# Altium PCB PROC010B_ASCII.PcbDoc (part 2 of 6) (continued)
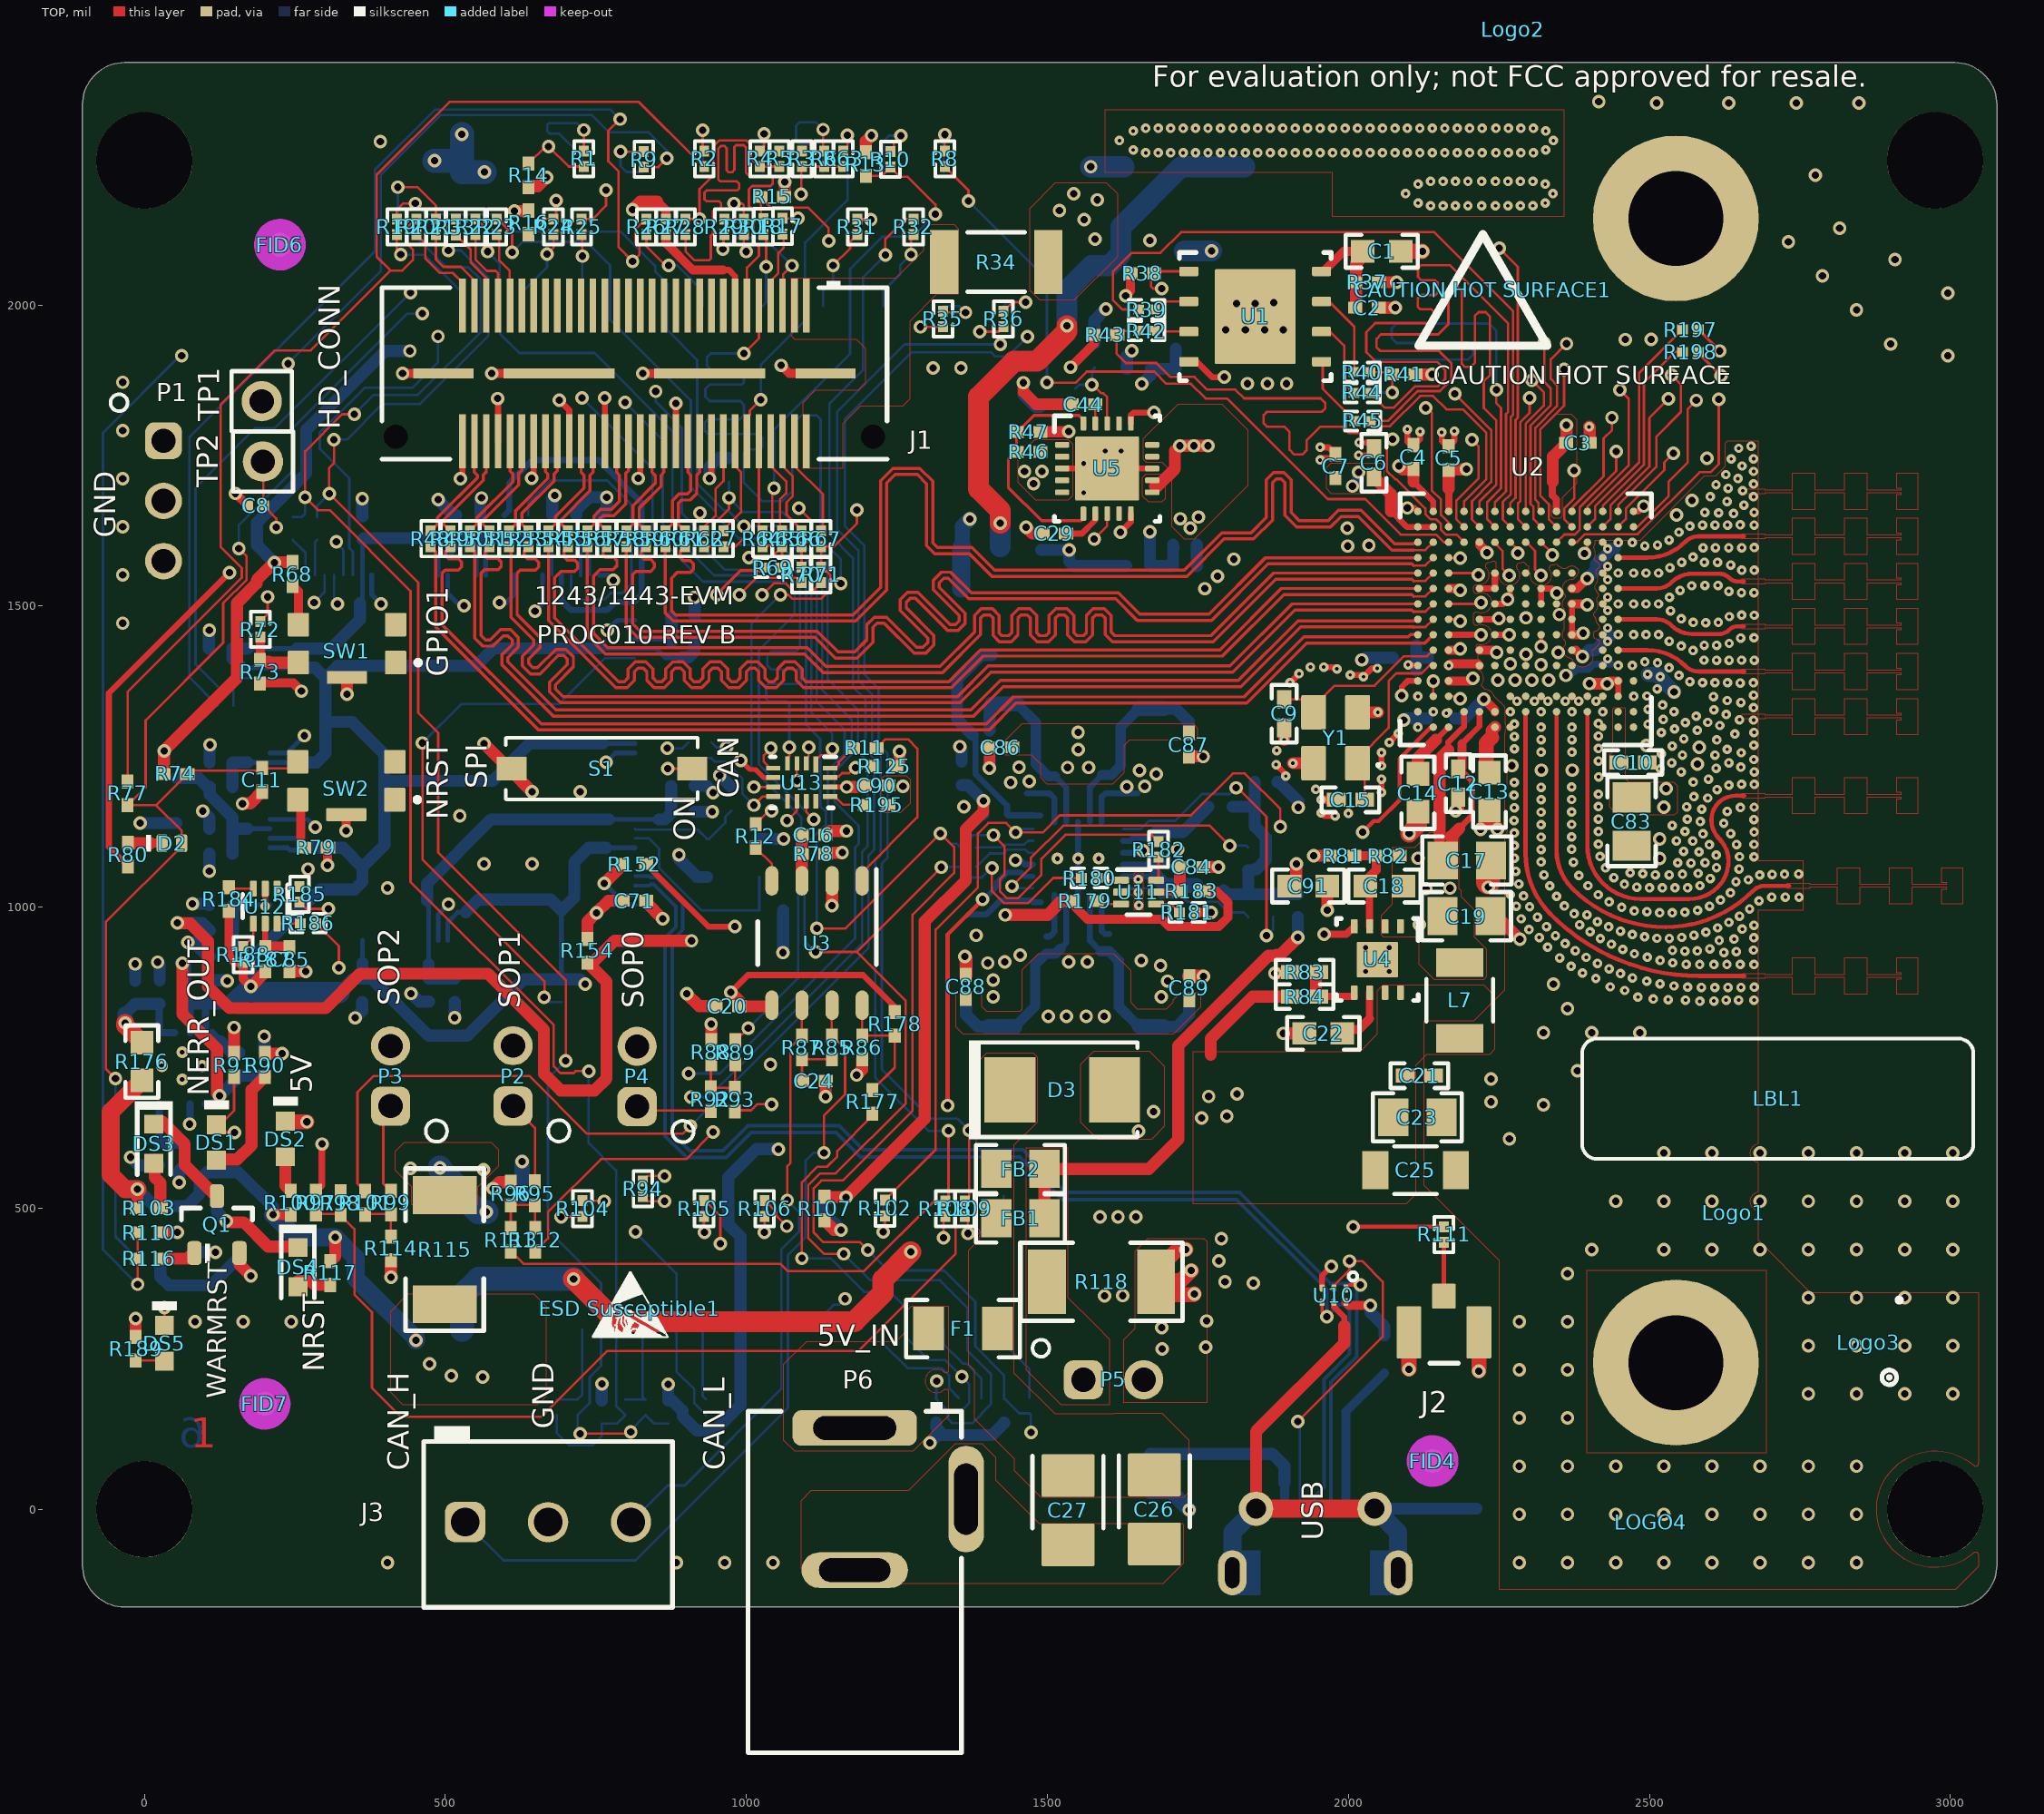
[diagram p0: TOP view]
## Part data (continued)
R88 R96 R114: library part CMP-0026574-2, "RES, 82.5 k, 1%, 0.063 W, AEC-Q200 Grade 0, 0402"
R90 R189: library part CMP-0078194-1, "RES, 360, 5%, 0.1 W, AEC-Q200 Grade 0, 0402"
R92 R95 R99: library part CMP-0026557-2, "RES, 7.87 k, 1%, 0.063 W, AEC-Q200 Grade 0, 0402"
R93 R101 R112: library part CMP-0026542-2, "RES, 750, 1%, 0.063 W, AEC-Q200 Grade 0, 0402"
R100 R103 R116 R117 R160: library part CMP-0078212-1, "RES, 510, 5%, 0.1 W, AEC-Q200 Grade 0, 0402"
R110 R138 R158 R172 R173: library part CMP-0025950-3, "RES, 100 k, 1%, 0.063 W, AEC-Q200 Grade 0, 0402"
R121 R132: library part CMP-0078211-2, "RES, 3.00 k, 1%, 0.063 W, AEC-Q200 Grade 0, 0402"
R122 R131 R139: library part CMP-0026099-2, "RES, 1.96 k, 1%, 0.063 W, AEC-Q200 Grade 0, 0402"
R123 R124 R126 R127 R140: library part CMP-0026071-3, "RES, 1.00 k, 1%, 0.063 W, AEC-Q200 Grade 0, 0402"
R125 R195: library part CMP-0025958-2, "RES, 10.0 k, 1%, 0.063 W, 0402"
R130 R133 R137 R161 R175 R176: library part CMP-0025884-3, "RES, 0, 5%, 0.125 W, 0603"
R134: library part CMP-0026404-2, "RES, 49.9, 1%, 0.063 W, AEC-Q200 Grade 0, 0402"
R142 R150: library part CMP-0026701-1, "RES, 4.99 k, 1%, 0.1 W, AEC-Q200 Grade 0, 0402"
R143 R147: library part CMP-0026414-2, "RES, 4.99 k, 1%, 0.063 W, AEC-Q200 Grade 0, 0402"
R149: library part CMP-0078193-1, "RES, 1.0 k, 5%, 0.1 W, AEC-Q200 Grade 0, 0402"
R151 R153: library part CMP-0078210-2, "RES, 330 k, 1%, 0.063 W, AEC-Q200 Grade 0, 0402"
R156: library part CMP-0026403-2, "RES, 49.9 k, 1%, 0.063 W, AEC-Q200 Grade 0, 0402"
R157 R174: library part CMP-0078244-2, "RES, 30.0 k, 1%, 0.063 W, AEC-Q200 Grade 0, 0402"
R170 R171: library part CMP-0026244-2, "RES, 2.94 k, 1%, 0.063 W, AEC-Q200 Grade 0, 0402"
R190 R191 R192 R193: library part CMP-0026363-2, "RES, 3.83, 1%, 0.063 W, AEC-Q200 Grade 0, 0402"
R194: library part CMP-0026413-2, "RES, 4.87 k, 1%, 0.063 W, AEC-Q200 Grade 0, 0402"
S1: library part CMP-0002163-2, "Switch, Slide, SPST, Top Slide, SMT"
SW1 SW2: library part CMP-0002325-1, "Switch, SPST-NO, Off-Mom, 0.01 A, 32 VDC, SMD"
TP1 TP2: library part CMP-0055993-1, "Header, 100mil, 1x1, Tin, TH"
U1: library part CMP-0079267-1, "2.3V-3.6V, 16M-BIT [x 1/x 2/x 4] CMOS FLASH Memory, WSON-8"
U2: library part CMP-0081285-1, "Single Chip 77 and 79 GHz FMCW Transceiver, ABL0161A (FCBGA-161)"
U3: library part CMP-0075992-1, "Automotive Fault Protected CAN Transceiver With Flexible Data-Rate, D0008A (SOIC-8)"
U4: library part CMP-0073870-2, "Automotive Low-Noise, Wide-Bandwidth, High PSRR, Low-Dropout 1-A Linear Regulator, DRB0008A (VSON-8)"
U5: library part CMP-0073732-2, "Dual, 1-A, Low Noise (3.8-uVRMS), LDO Voltage Regulator, RTJ0020D (WQFN-20)"
U6: library part CMP-0029856-2, "Tiva C Series Microcontroller, 1024 KB Flash, 256 KB SRAM, 12 Bit, 20 Channels, -40 to 105 degC, 128-Pin TQFP (PDT), Green (RoHS & no Sb/Br), Tray"
U7: library part CMP-0033001-1, "Precision Micropower Shunt Voltage Reference, 0.5% accuracy, 2.5 V, 15 ppm / degC, 15 mA, -40 to 125 degC, 3-pin SOT-23 (DBZ), Green (RoHS & no Sb/Br)"
U8: library part CMP-0079120-1, "4-A + 2.5-A + Two 1.5-A Buck Converters With Integrated Switches, RNF0026C (VQFN-HR-26)"
U9: library part CMP-0036402-3, "Single Output High PSRR LDO, 1 A, Adjustable 1.2 to 5.5 V Output, 2.7 to 5.5 V Input, 8-pin SON (DRB), -40 to 125 degC, Green (RoHS & no Sb/Br)"
U10: library part CMP-0043115-2, "ESD-Protection Array for High-Speed Data Interfaces, 4 Channels, -40 to +85 degC, 6-pin SON (DRY), Green (RoHS & no Sb/Br)"
U11 U12: library part CMP-0067397-2, "1.4V-Capable +/-0.5degC Temperature Sensor with Alert Function and I2C/SMBus interface in SOT-563, DRL0006A (SOT-OTHER-6)"
U13: library part CMP-0067415-1, "10-Ohm Quad SPDT Analog Switch, RSV0016A (UQFN-16)"
Y1: library part CMP-0004694-3, "Crystal, 40 MHz, 8pF, SMD"
Y2: library part CMP-0078214-2, "Crystal, 16 MHz, 15 ppm, 8 pF, AEC-Q200 Grade 1, SMD"
ZZ1: library part CMP-0003616-3
ZZ2: library part CMP-0077236-1
ZZ3: library part CMP-0077237-1
ZZ4: library part CMP-0077238-1
ZZ5: library part CMP-0077238-1, "Micro USB cable, Brackets, Screws, Nuts, Jumpers and Bump on need to be placed in a platic bag"

## Free pads (board coordinates)
  round 275.59 hole 157.48: 0(2543.95,2143.55) 1(2543.95,243.55)
  round 160 hole 160 unplated: ""(0,0) ""(0,2240) ""(2974.5,0) ""(2974.5,2240)

## Via types
v1: diameter 22.4, hole 12.2, TOP to BOTTOM, tented both sides, 621 vias
v2: diameter 15.74, hole 5.9, TOP to L2, tented top, 508 vias
v3: diameter 19.68, hole 7.87, TOP to BOTTOM, tented top, 7 vias
v4: diameter 19.68, hole 7.87, TOP to BOTTOM, 4 vias
v5: diameter 19.68, hole 7.87, TOP to BOTTOM, tented both sides, 3 vias
v6: diameter 19.68, hole 7.87, TOP to BOTTOM, tented bottom, 1 vias

## Nets (pads, with @x,y where several pads share a name; then routed paths per layer and width w, separated by ;. In a path a pad name is that pad's centre, name@x,y a point inside that pad or via, vN(x,y) a via of type N, cw(c..) or ccw(c..) an arc to the next point about the centre after c; other vN are vias at no path point)
3V3_BRD: C41.2 C42.2 C43.2 C50.2 C61.2 C76.2 C77.2 C78.2 R124.2 R127.2 R134.2 R140.2 R155.2 R156.2 R179.2 R183.2 R184.2 R187.2 R188.1 U6.7 U6.8 U6.16 U6.26 U6.28 U6.39 U6.47 U6.51 U6.52 U6.69 U6.79 U6.90 U6.101 U6.113 U6.122 U9.3 U9.4 | length 6461.6
  TOP w15: R184.2@140.38,994.45 R184.2@140.38,993.66 140.38,918.01 150.16,908.23 R188.1@163.83,908.23 163.83,881.17 v1(177,868) ; R179.2@1543.45,1009.92 1543.45,1003.19 1566.64,980 1690,980 1702,968 1784.72,968 1799.73,983.01 1799.73,1007.95 1781,1026.68 R183.2@1759.34,1026.68 R183.2@1758.55,1026.68
  TOP w20: v1(177,868) 200.98,891.98 R187.2@200.98,893.66 ; v1(1430,987) 1500.36,987 1523.28,1009.92 R179.2@1542.66,1009.92 R179.2@1543.45,1009.92
  L3 w20: v1(732,872) 810.21,950.21 810.21,988.21 846.3,1024.3 996.79,1024.3 1086.18,934.9 1086.18,911.5 1112.78,884.9 1263.9,884.9 1366,987 v1(1430,987)
  BOTTOM w8: 161.85,1397.65 254.85,1397.65 ; 171.33,1240.17 252.33,1240.17 ; 171.36,1429.14 253.36,1429.14 ; U6.7@208.64,1098.43 238.07,1098.43 242,1094.5 260.32,1094.5 264.25,1098.43 264.25,1101.25 251.32,1114.18 U6.8@208.64,1114.18 ; 362.18,907.32 U6.122@362.18,944.89 ; 362.18,1508.68 C43.2@362.18,1610.21 ; U6.47@488.17,1551.19 488.17,1582.5 495.15,1589.48 511.07,1589.48 518.22,1596.62 C42.2@518.22,1612.16 ; U6.113@503.92,944.89 503.92,974.56 520.86,991.5 534,991.5 ; C42.2@518.03,1612.36 C42.2@518.22,1612.55 ; U6.51@551.16,1551.19 551.16,1605.41 558.3,1612.55 566.91,1603.94 U6.52@566.91,1551.19 ; R155.2@692.89,880.16 692.89,994.61 ; 757,1429.5 757.36,1429.14 850.37,1429.14 865.11,1414.4 892.75,1414.4 ; 761.16,1271.66 U6.79@814.94,1271.66 ; 767,1098.5 814.87,1098.5 U6.90@814.94,1098.43
  BOTTOM w8.4: 358,1504.5 362.18,1508.68 ; C43.2@362.18,1610.21 C43.2@362.52,1610.55 ; R155.2@692.78,880.05 R155.2@692.89,880.16 ; 892.75,1414.4 893.34,1414.99
  BOTTOM w12: C78.2@67.1,839.85 75.63,831.32 U9.3@75.63,791.44 ; C77.2@108.82,839.85 101.22,832.25 U9.4@101.22,791.44 112.56,791.44 127,777
  BOTTOM w20: C78.2@67.1,839.85 108.82,839.85 148.85,839.85 ; 127,777 145.91,758.09 R156.2@158.03,758.09 ; R140.2@146.55,1199.52 146.55,1239.66 147.06,1240.17 171.33,1240.17 ; 161.85,1397.65 145.95,1413.55 145.95,1429.4 146.21,1429.14 171.36,1429.14 ; v1(177,868) 177,914 292,1029 349,1029 362.18,1042.18 362.18,1066.32 ; 252.33,1240.17 285.67,1240.17 301,1255.5 301,1307.5 ; 253.36,1429.14 309.64,1429.14 358,1477.5 358,1504.5 ; 254.85,1397.65 283.85,1397.65 301,1380.5 ; 264.25,1098.43 330.07,1098.43 362.18,1066.32 ; 324.01,858 347.16,881.15 C76.2@361.92,881.15 ; 362.18,907.32 362.18,881.41 C76.2@361.92,881.15 ; C43.2@362.52,1610.55 364.52,1612.55 518.22,1612.55 558.3,1612.55 558.7,1612.95 R124.2@637.72,1612.95 ; 534,991.5 555,1012.5 675,1012.5 692.89,994.61 714,1015.72 714,1074.5 738,1098.5 767,1098.5 ; v1(732,872) 723.95,880.05 692.78,880.05 630.21,880.05 536.46,786.3 472.2,786.3 377.35,881.15 C76.2@361.92,881.15 ; 757,1429.5 580,1429.5 551,1400.5 321,1400.5 301,1380.5 ; 761.16,1271.66 640.16,1271.66 578,1209.5 399,1209.5 ; 893.34,1414.99 904.49,1414.99 913.55,1424.05 R134.2@913.55,1440.6 ; 301,1307.5 345.46,1307.5 399,1253.96 399,1209.5 ; 301,1307.5 301,1380.5 ; 362.18,1066.32 399,1103.14 399,1209.5
  BOTTOM w35: 148.85,839.85 v1(177,868) 187,858 324.01,858
3V3_MON_XDS_1: R158.2 R159.2 U9.8 | length 106
  BOTTOM w12: R159.2@24.43,608.61 U9.8@24.43,673.31
  BOTTOM w20: R159.2@24.43,608.61 65.54,608.61 R158.2@65.68,608.75
5V_IN: FB1.2 FB2.2 P5.1 R34.2 R78.2 R100.2 R103.2 R115.2 R117.2 R118.1 R149.2 R176.2 | length 2718.1
  TOP w20: R103.2@-11.33,500.07 v1(-11.33,531.5) ; v1(214,489.5) 216,489.5 216,490.16 R100.2@242.91,490.16 ; R117.2@308.61,411.05 317,419.44 v1(317,451.5) ; R78.2@1131.38,1088.29 1133.38,1090.29 v1(1159.19,1090.29) ; FB1.2@1495.18,483.01 FB2.2@1495.18,565.13 1668.47,565.13 1717.57,614.23 1717.57,769.57 1867,919 1879.11,919 1880.94,920.83 1887.33,920.83 v1(1916,949.5)
  TOP w30: v1(-11.33,531.5) -32,531.5 -56,555.5 -56,660 R176.2@-4,712
  L3 w20: v1(1159.19,1090.29) 1308.15,1090.29 1312.05,1094.19 1335.41,1094.19 1389.7,1148.47 1405.4,1148.47 1417.73,1160.8 1566.87,1160.8 1621.82,1105.85 1621.82,1065.13 1658.74,1028.2 1857.86,1028.2 1916,970.06 v1(1916,949.5)
  BOTTOM w20: v1(-11.33,531.5) 16.73,503.5 71.25,503.5 91.81,524.06 91.81,547.66 104.05,559.9 155.6,559.9 214,501.5 v1(214,489.5) ; v1(1916,949.5) 1916.14,949.64 R149.2@1916.14,982.46 R149.2@1916.14,983.25
  BOTTOM w30: v1(214,489.5) 252,451.5 v1(317,451.5) 351,417.5 351,383.5 451,283.5 v1(451,280.5)
  other v1: 562,219.5 510,221.5 474,241.5 1579,2109.5 1561,2141.5 1520,2156.5 1583,2174.5 1544,2184.5
5V_UNREG: C59.2 C60.2 C68.2 C72.2 C73.2 P5.2 R118.2 U8.9 U8.13 U8.18 U8.22 U8.26 | length 679.7
  TOP w25: v1(1730,431.5) 1716,431.5 1686.01,401.51 R118.2@1686.01,379.75 ; v1(1739,396.5) 1722.25,379.75 R118.2@1686.01,379.75 ; v1(1744,357.5) 1743,356.5 1709.26,356.5 R118.2@1686.01,379.75
  BOTTOM w10: 1465.59,1189.06 1503.26,1189.06 1511.63,1180.69 U8.9@1511.63,1141.13 ; 1498.57,951.17 1503.9,951.17 1511.63,958.9 U8.26@1511.63,1019.87 ; U8.22@1590.37,1019.87 1590.37,960.27 1595.3,955.34 1603.08,955.34 ; U8.13@1590.37,1141.13 1590.37,1183.19 1596.05,1188.86 1649.74,1188.86 ; U8.18@1625.81,1070.65 1665.16,1070.66 1669,1074.5 1692.82,1074.5 1700.32,1067 C68.2@1719.76,1067 1716.42,1070.34 v1(1716.42,1096.08)
  other v1: 1410,851 1689,851 1700,877 1410,879 1688,903 1401,907 1429,909 1656,911 1455,920 1631.87,1199.66 1661.71,1200.36 1439,1207 1470,1209 1680.9,1220.81 1652.89,1226.69 1453,1232
+3.3VD: C5.1 C20.2 C90.2 P2.2 P3.2 P4.2 R14.2 R15.2 R16.2 R37.1 R38.2 R41.2 R43.2 R68.2 R74.2 R90.2 R91.2 R125.2 R130.2 R133.2 R170.2 R171.2 R172.2 R173.2 R178.1 R189.2 U2.R13 U3.5 U13.14 | length 10127.1
  TOP w7.87: U13.14@1139.1,1199.34 v1(1166.57,1199.34)
  TOP w10: v1(974,858.48) 1002.52,887 1193.73,887 1246.5,834.23 R178.1@1246.5,825.86
  TOP w12: 2166.55,1694.7 2166.6,1694.65 U2.R13@2166.6,1657.03
  TOP w15: v1(1538.68,1896.5) 1577.39,1935.21 R43.2@1577.39,1950.4 ; v1(1630,2015) 1638,2023 R38.2@1638,2052.34
  TOP w19.68: R189.2@-14.4,286.41 v1(-14.4,316.79)
  TOP w20: R74.2@32.75,1221.14 v1(32.75,1259.5) 153.9,1380.65 153.9,1504.98 186.63,1537.71 186.63,1542.68 v1(216,1572.05) 216.79,1572.84 R68.2@246.04,1572.84 ; R91.2@149,757.57 v1(149,800) ; R90.2@200.46,756.69 v1(229,756.69) ; v1(614.45,2156.05) R16.2@638.2,2156.05 ; R14.2@638.26,2196.95 653.45,2196.95 v1(668,2211.5) ; v1(974,858.48) 987.19,845.29 987.19,835.45 987.39,835.25 U3.5@1042.01,835.25 ; R15.2@1062.49,2179.56 1063.86,2180.92 v1(1063.86,2204.17) ; v1(1166.57,1199.34) 1193.95,1199.34 C90.2@1196.58,1201.97 ; R125.2@1248.95,1234.12 1254.47,1239.64 v1(1254.47,1258.49) ; R37.1@2050.61,2037.7 v1(2080,2037.7) ; R41.2@2111.34,1884.48 v1(2139,1884.48) ; 2166.55,1694.7 C5.1@2166.55,1726.1 2167.47,1727.02 v1(2196,1727.02)
  L3 w20: v1(759.88,208.38) 760.94,207.32 v1(870.18,207.32) 1259.68,207.32 1305,162 v1(1305,110.5) ; v1(1371,1644.5) 1371,1702.77 1538.68,1870.45 v1(1538.68,1896.5) ; v1(1630,2015) 1656.19,1988.81 1716.01,1988.81 1797.54,2070.34 2047.36,2070.34 v1(2080,2037.7) 2139,1978.7 v1(2139,1884.48)
  L3 w25: v1(1166.57,1199.34) 1195.31,1199.34 v1(1254.47,1258.49)
  L3 w30: P4.2@818.44,768.75 909.56,768.75 979,699.31 979,672 v1(1053,598)
  L3 w35: v1(32.75,1259.5) 32.75,1158.15 82.4,1108.5 140.99,1108.5 220.51,1028.98 220.51,874.14 234.9,859.75 234.9,826 ; v1(149,800) 175,826 234.9,826 ; v1(229,756.69) 241.73,769.42 246.99,774.68 246.99,813.91 234.9,826 ; P4.2@818.44,768.75 818.44,847.23 872.04,900.83 931.65,900.83 v1(974,858.48)
  L3 w40: 241.73,769.42 P3.2@409,769.42 409.33,769.75 P2.2@612.44,769.75 629.74,787.05 746.82,787.05 765.12,768.75 P4.2@818.44,768.75
  L4 w20: v1(441,1923.5) 391,1973.5 391,2115.5 411,2135.5 593.9,2135.5 v1(614.45,2156.05) 668,2209.6 v1(668,2211.5) 631.64,2247.86 631.64,2278.23 698.3,2344.88 824.86,2344.88 965.58,2204.17 v1(1063.86,2204.17) 1065.85,2204.17 1102.43,2240.75 1531.64,2240.75 1558.05,2267.16 1637.7,2267.16 1714.91,2189.95 1714.91,2099.91 v1(1630,2015) 1630,1969.94 1556.55,1896.5 v1(1538.68,1896.5)
  L4 w25: v1(974,858.48) 1016.63,901.11 1016.63,958.14 1105.59,1047.11 1159,1047.11 1194.19,1082.3 1194.19,1141.98 1166.57,1169.6 v1(1166.57,1199.34)
  L4 w30: v1(2139,1884.48) 2143.47,1888.95 2192,1888.95 2213.38,1867.57 2213.38,1822.12 2245,1790.5 2245,1751.55 2220.47,1727.02 v1(2196,1727.02)
  L4 w40: v1(-14.4,316.79) -29.94,316.79 -53.75,340.6 -53.75,425.27 23.85,502.87 109.8,502.87 229,622.07 v1(229,756.69)
  BOTTOM w20: v1(216,1572.05) 187.14,1600.91 187.14,1638.64 269,1720.5 269,1792.51 399.99,1923.5 v1(441,1923.5) ; R173.2@759.88,180.84 v1(759.88,208.38) ; v1(870.18,207.32) R172.2@870.18,180.84 876.51,180.84 894.11,163.23 894.11,154 917.44,130.67 948.06,130.67 990.2,172.81 990.2,452.62 970.15,472.67 970.15,551.45 1016.7,598 v1(1053,598) ; v1(1305,110.5) 1317.5,123 1328,123 ; R171.2@1315.37,144.16 R171.2@1315.37,140.23 1315.37,135.63 1328,123 ; R170.2@1428.02,144.16 1428.02,143 1408.02,123 1328,123
  BOTTOM w25: R130.2@1358.81,1598.71 1358.81,1632.31 v1(1371,1644.5)
  BOTTOM w30: R133.2@1357.19,1529.05 1357.19,1597.09 R130.2@1358.81,1598.71
AR_1P3_RF1: C36.2 C37.2 C38.2 C45.1 C46.2 C47.1 L5.2 R131.2 U2.G5 U2.H5 U2.J5 U5.14 U5.15 | length 132.3
  TOP w10: U2.G5@2371.32,1452.31 U2.J5@2371.32,1503.49
  TOP w15: U2.G5@2371.32,1452.31 2387.56,1452.31 v1(2390.05,1454.8) ; U2.J5@2371.32,1503.49 2394.83,1503.49 v1(2396.62,1501.7)
  BOTTOM w20: C46.2@1748.19,1566.52 1748.43,1566.76 R131.2@1748.43,1601.78
  other v1: 1737.33,1629.38 1720.71,1644.84 1751.15,1647.68
AR_1P3_RF2: C28.2 C33.2 C34.2 C35.2 C57.1 C58.1 L8.2 R122.2 R137.1 U2.C2 U2.D2 U5.11 U5.12 | length 208.2
  TOP w10: U2.C2@2448.09,1349.95 U2.D2@2448.09,1375.54
  TOP w15: v1(2430.15,1371) 2434.69,1375.54 U2.D2@2448.09,1375.54
  TOP w20: 1678.94,1698.93 1682.8,1698.93 1711.9,1728.03 1711.9,1757.66 v1(1720.3,1766.07) v1(1743.7,1766.07) v1(1766.84,1766.07) ; v1(2400.5,1371.2) 2400.7,1371 v1(2430.15,1371)
AR_1V2: C3.1 C4.1 C6.1 C7.1 L9.2 U2.F13 U2.N11 U2.P14 U2.P15 U2.R6 U2.R14 | length 492.5
  TOP w10: 2071,1657.5 2097.06,1631.44 U2.P14@2141.01,1631.44 ; 2108,1706.54 2141.01,1673.53 U2.R14@2141.01,1657.03
  TOP w12: 2339.55,1706.05 2339,1705.5 2339,1683.5 2345.73,1676.77 U2.R6@2345.73,1657.03
  TOP w15: U2.F13@2166.6,1426.72 2183.67,1426.72 v1(2185.75,1428.8) ; U2.N11@2217.78,1605.85 2217.78,1601.72 2229.95,1589.55 v1(2229.95,1588.6)
  TOP w20: C6.1@2042.55,1718.5 C6.1@2042.55,1714.18 2071,1685.73 2071,1657.5 ; v1(2084,1732.5) 2090.22,1726.48 2105.35,1726.73 C4.1@2108,1727.74 2108,1706.54 ; 2339.55,1706.05 2339.55,1748.1 2362.25,1770.8 v1@2362.25,1800.5 ; v1(2362,1800.5) v1@2362.25,1800.5 ; v1@2364.31,1800.5 v1@2362.25,1800.5
  BOTTOM w20: v1(2006.84,1698.99) 2016.75,1708.9 v1(2016.75,1722.26)
  other v1: 1761.62,1528.79 1782.43,1549.59
AR_1V4_APLL: C13.1 U2.A10 | length 83.7
  TOP w20: 2238,1281.5 2238,1293.4 U2.A10@2243.37,1298.77
  TOP w25: C13.1@2234.45,1223.4 2228.91,1228.94 2228.91,1272.41 2238,1281.5
AR_1V4_SYNTH: C14.1 U2.A13 | length 98.7
  TOP w10: 2145.55,1277.72 U2.A13@2166.6,1298.77
  TOP w20: C14.1@2115.45,1221.3 2115.45,1247.62 2145.55,1277.72
AR_1V8: C12.1 C17.1 C18.1 C19.1 C39.1 C48.1 C51.1 C52.1 C53.1 C91.2 L7.2 R82.2 U2.B11 U2.B12 U2.D13 U2.F5 U2.K5 U2.K13 U4.1 U4.2 | length 833.1
  TOP w10: 2166.05,1260.37 2166.05,1273.9 2192.19,1300.04 U2.B12@2192.19,1324.36 ; C12.1@2182.55,1225.1 2189.95,1225.1 2204.8,1210.25 2204.8,1151.05 2184.27,1130.52 ; 2188.95,1271.46 2217.78,1300.29 U2.B11@2217.78,1324.36
  TOP w12: U2.F5@2371.32,1426.72 2377.83,1426.72
  TOP w15: U2.D13@2166.6,1375.54 2202.19,1375.54 v1(2206.65,1380) ; U2.K13@2166.6,1529.08 2182.87,1529.08 v1(2185.75,1526.2) ; C12.1@2182.55,1225.1 2188.95,1231.5 2188.95,1271.46 ; U2.K5@2371.32,1529.08 2380.18,1529.08 v1(2396.5,1545.4) ; 2377.83,1426.72 v1(2388.75,1415.8)
  TOP w20: v1(1965,995.04) C91.2@1965,1034.87 ; 2151.55,1114.8 2151.55,1245.87 2166.05,1260.37 ; 2172,1109.5 2172,1118.25 2184.27,1130.52
  BOTTOM w20: 2112.65,1392.98 C53.1@2112.65,1414 ; 2112.65,1435.02 C53.1@2112.65,1414 ; C53.1@2132.07,1414 C53.1@2116.97,1414 C53.1@2112.65,1414 ; v1(2388.75,1415.8) 2400.06,1427.11 2410.75,1427.11 2433.85,1450.21 C51.1@2435.27,1450.21 ; v1(2396.5,1545.4) 2411,1559.9 2411,1568.5 2437.8,1595.3 C39.1@2442.75,1595.3
  other v1: 2118,970.5 2128.79,1030.54 2168.81,1031.38 2115.68,1081.18
AR_ANAMUX: P1.3 U2.C13 | length 2270.4
  TOP w4: U2.C13@2166.6,1349.95 2182.2,1349.95 v1(2185.95,1346.2)
  L3 w5: P1.3@31.27,1575.06 210.06,1396.27 385.08,1396.27 401.95,1379.4 2106.19,1379.4 2139.39,1346.2 v1(2185.95,1346.2)
AR_ANATEST1: R104.2 U2.P1 | length 3822.8
  TOP w4: R104.2@727.75,512.27 754,512.27 754,511.5 v1(764,511.5) ; U2.P1@2473.68,1631.44 2480.42,1631.44 2532,1683.02 2532,1706.66 2563.69,1738.34 2563.69,1827.19 v1(2578,1841.5)
  L3 w5: v1(764,511.5) 828.16,511.5 961.06,378.61 1597.42,378.61 1706.36,487.55 1799.89,487.55 1872.41,415.03 1872.41,305.11 1925.67,251.84 2032.92,251.84 2126.97,345.89 2126.97,735.23 2380.42,988.68 2552.76,988.68 2672,1107.92 2672,1639.42 2574.18,1737.25 2574.18,1805.3 2578,1809.13 v1(2578,1841.5)
AR_ANATEST2: R94.2 U2.P2 | length 3584.5
  TOP w4: R94.2@828.25,545.27 836.48,553.5 v1(864,553.5) ; U2.P2@2448.09,1631.44 2460.95,1644.3 2460.95,1661.98 2524.86,1725.89 2524.86,1738.36 v1(2540,1753.5)
  L3 w5: v1(864,553.5) 889.05,528.45 889.05,470.46 963.59,395.92 1202.19,395.92 1334.16,527.89 1786.02,527.89 1888.11,425.8 1888.11,315.63 1936.32,267.42 2030.95,267.42 2112.37,348.84 2112.37,743.08 2375.47,1006.18 2545.11,1006.18 2655.39,1116.46 2655.39,1638.11 v1(2540,1753.5)
AR_ANATEST3: R105.2 U2.P3 | length 3670
  TOP w4: R105.2@929.75,512.27 931.28,512.27 956.86,486.69 v1(956.86,440.79) ; U2.P3@2422.5,1631.44 2435.45,1644.39 2435.45,1666.95 2500,1731.5 2500,1812.5 v1(2531.5,1844)
  L3 w5: v1(956.86,440.79) 981.11,440.79 991.74,430.16 1068.11,430.16 1122.53,484.58 1200.35,484.58 1264.48,548.71 1792.67,548.71 1903.68,437.69 1903.68,323.69 1944.21,283.16 2028.16,283.16 2095.88,350.87 2095.88,787.34 2329.2,1020.66 2534.53,1020.66 2638.75,1124.88 2638.75,1491.26 2472.85,1657.16 2472.85,1692.35 2507.49,1726.99 2507.49,1819.99 v1(2531.5,1844)
AR_ANATEST4: R106.2 U2.R2 | length 3566.4
  TOP w4: R106.2@1030.25,512.27 1031.49,512.27 1049.72,494.04 1049.72,487.5 v1(1067.22,470) ; U2.R2@2448.09,1657.03 2448.09,1667.59 2511.41,1730.91 2511.41,1780.91 2552.3,1821.8 2552.3,1868.2 v1(2537,1883.5)
  L3 w5: v1(1067.22,470) 1094.81,497.59 1188.92,497.59 1261.58,570.25 1799.44,570.25 1917.36,452.33 1917.36,331.5 1950.06,298.8 2026.73,298.8 2079.84,351.91 2079.84,796.88 2325.09,1042.12 2528.62,1042.12 2620.05,1133.55 2620.05,1490.89 2459.96,1650.98 2459.96,1699.98 2492.58,1732.6 2492.58,1839.08 v1(2537,1883.5)
AR_BSS_LOGGER: R31.1 R135.1 U2.R4 | length 3430.8
  TOP w4: U2.R4@2396.91,1657.03 2396.91,1664.41 2465.49,1732.99 2465.49,1844.4 v1(2451.13,1858.76)
  TOP w5: R31.1@1182.65,2139.15 1185.37,2141.87 v1(1206.66,2141.87)
  L3 w5: v1(442,2020.5) 470.43,2020.5 486.56,2036.63 651.36,2036.63 736.99,2122.26 942.38,2122.26 949.03,2128.9 1016.89,2128.9 1023.53,2122.26 1099.51,2122.26 1119.12,2141.87 v1(1206.66,2141.87) 1269.96,2141.87 1300.19,2172.1 1326.8,2172.1 1423.44,2075.45 1669.77,2075.45 1776.94,2182.62 2107.47,2182.62 2282.52,2007.58 2282.52,1944.35 2314.39,1912.48 2397.42,1912.48 v1(2451.13,1858.76)
  BOTTOM w4: R135.1@121.79,1366.19 85,1402.98 85,1696.18 184.32,1795.5 217,1795.5 v1(442,2020.5)
AR_CS1: U2.R7 U13.10 | length 2799.2
  TOP w4: v1(1067.5,1143.73) 1083.98,1160.21 U13.10@1083.98,1175.71 ; U2.R7@2320.14,1657.03 2315.55,1661.63 2315.55,1671.77 2310.55,1676.77 2310.55,1796.15 2346.47,1832.07 2346.47,1866.84 2336.3,1877.01 2336.3,1909.5 v1(2362.38,1935.58)
  L3 w4: v1(1067.5,1143.73) 1051.19,1143.73 1045.05,1137.59 1011.49,1137.59 985.8,1163.28 985.8,1201.38 1014.57,1230.15 1139.06,1230.15 1245.47,1336.55 1980.09,1336.55 2029.86,1286.79 2416.28,1286.79 2523.8,1394.31 2523.8,1571.37 2447.53,1647.63 2447.53,1707.3 2475.65,1735.41 2475.65,1863.92 2410.04,1929.53 2387.15,1929.53 2381.1,1935.58 v1(2362.38,1935.58)
AR_GPIO_0: R164.1 R177.2 U2.N4 | length 3718.2
  TOP w4: v1(1092.13,416.62) 1092.13,542.93 1118.2,569 1134.25,569 1150.96,585.71 1150.96,594.81 1209.5,653.36 R177.2@1209.5,656.88 ; v1(2392.34,1587.4) 2396.91,1591.97 U2.N4@2396.91,1605.85
  L3 w5: v1(1358,220) 1413,220 1487.1,145.9 1797.11,145.9 1883.52,232.31 2032.28,232.31 2142.6,342.63 2142.6,727.18 2386.2,970.78 2560.31,970.78 2689.9,1100.38 2689.9,1650.98 v1(2595.65,1745.24)
  L4 w6: v1(2392.34,1587.4) 2394,1589.06 2394,1613.96 2499.54,1719.5 2569.91,1719.5 v1(2595.65,1745.24)
  BOTTOM w4: v1(1092.13,416.62) 1139.72,416.62 1195.4,360.94 1238.59,360.94 1266.44,333.09 1266.44,284.55 1302.99,248 1330,248 v1(1358,220) 1370,208 1370,175.98 R164.1@1352.75,158.73
AR_GPIO_1: R9.2 R72.2 U2.N7 | length 3760.8
  TOP w4: R72.2@192.5,1474.24 204.83,1486.57 v1(204.83,1515.16) ; R9.2@829.75,2228.73 853.51,2228.73 v1(868.03,2243.25) ; U2.N7@2320.14,1605.85 2338.45,1587.54 v1(2338.45,1585.1)
  L3 w4: v1(204.83,1515.16) 241.82,1552.15 241.82,1700.01 263.32,1721.51 263.32,1878.18 v1(239,1902.5)
  L3 w5: v1(868.03,2243.25) 868.03,2265.26 945.86,2343.08 2086.2,2343.08 2466.13,1963.16 2482.34,1963.16 v1(2503,1942.5)
  L4 w6: v1(2338.45,1585.1) 2503,1749.65 v1(2503,1942.5)
  BOTTOM w4: v1(239,1902.5) 393,2056.5 393,2216.5 491.72,2315.22 743.28,2315.22 772,2286.5 838,2286.5 868.03,2256.47 v1(868.03,2243.25) 864.75,2243.25 v1@861,2239.5
AR_GPIO_2: R8.2 R110.2 R116.1 U2.N13 | length 4502.3
  TOP w4: R110.2@-11.18,459.77 -11.12,459.71 v1(-11.12,373.5) ; R8.2@1329.55,2229.73 1369,2190.28 v1(1369,2172.5) ; v1(1499.21,1871.03) 1547.26,1871.03 1565.47,1889.24 1677.58,1889.24 1697.56,1869.26 1738.21,1869.26 1763.01,1844.46 1798.79,1844.46 1965.71,1677.54 2027.96,1677.54 2087,1618.5 2146.1,1618.5 2158.75,1605.85 U2.N13@2166.6,1605.85
  L3 w5: v1(62,1915.5) 79.02,1932.52 276.98,1932.52 355.12,1854.38 490.88,1854.38 581.05,1944.55 1081.95,1944.55 1189.89,1836.61 1464.8,1836.61 v1(1499.21,1871.03)
  BOTTOM w4: v1(-11.12,373.5) -68.67,431.05 -68.67,1787.83 59,1915.5 v1(62,1915.5) ; v1(1369,2172.5) 1499.21,2042.29 v1(1499.21,1871.03)
AR_HOSTINTR1: R10.2 R13.2 R64.2 U2.P6 | length 2434.7
  TOP w4: R64.2@1026.61,1598.73 1035.23,1598.73 1043,1606.5 1043,1692.5 v1(1046,1695.5) ; R13.2@1198.4,2214.36 1224.88,2214.36 R10.2@1239.25,2228.73 1255.34,2212.64 1268.02,2212.64 1314.1,2166.56 v1(1314.1,2150.9) ; U2.P6@2345.73,1631.44 2332.91,1644.26 2332.91,1669.44 2318.55,1683.8 2318.55,1792.83 2358.19,1832.48 v1(2358.19,1892.76)
  L3 w5: v1(1314.1,2150.9) 1409.62,2055.38 1669.06,2055.38 1780.66,2166.98 2100.41,2166.98 2252.01,2015.37 2252.01,1958.79 2318.05,1892.76 v1(2358.19,1892.76)
  BOTTOM w4: v1(1046,1695.5) 1046,1792.5 1172.2,1918.7 1172.2,2059.74 1225.75,2113.29 1276.49,2113.29 v1(1314.1,2150.9)
AR_LVDS_VALID_N: R60.2 U2.N14 | length 1930.5
  TOP w4: 2108.58,1592.91 2128.07,1592.91 U2.N14@2141.01,1605.85
  TOP w5.2: R60.2@865.55,1598.73 865.55,1487.96 878.58,1474.93 1181.43,1474.93 1233.11,1526.61 1233.11,1704.06 1247.51,1718.46 1283.9,1718.46 1299.44,1702.92 1299.44,1600.59 1313.11,1586.92 1370.46,1586.92 1408.08,1549.3 1731.83,1549.3 1793.84,1611.31 1842.55,1611.31 1873.93,1642.69 1873.93,1705.01 1880.02,1711.1 1888.64,1711.1 1894.73,1705.01 1894.73,1650.87 1914.39,1631.21 1970.21,1631.21 1987.71,1648.71 2016.79,1648.71 2072.59,1592.91 2108.58,1592.91
AR_LVDS_VALID_P: R61.2 U2.N15 | length 1930.8
  TOP w5.2: R61.2@897.75,1598.73 890,1590.98 890,1580.5 895,1575.5 906.8,1575.5 912,1570.3 912,1560.7 906.8,1555.5 885,1555.5 875.75,1546.25 875.75,1492.19 882.81,1485.13 1177.2,1485.13 1222.91,1530.84 1222.91,1708.28 1243.29,1728.66 1288.12,1728.66 1309.64,1707.14 1309.64,1604.82 1317.34,1597.12 1374.69,1597.12 1412.31,1559.5 1727.61,1559.5 1789.61,1621.51 1838.33,1621.51 1863.73,1646.91 1863.73,1709.24 1875.79,1721.3 1892.87,1721.3 1904.93,1709.24 1904.93,1655.1 1918.62,1641.41 1965.98,1641.41 1983.48,1658.91 2021.02,1658.91 2076.82,1603.11 2108.58,1603.11 2111.32,1605.85 U2.N15@2115.42,1605.85
AR_LVDSCSI0_N: R48.2 U2.G14 | length 1930.5
  TOP w5.2: R48.2@475.61,1598.73 484,1590.34 484,1465.08 655.05,1294.04 1402.98,1294.04 1447.73,1338.79 1830.98,1338.79 1930.51,1438.32 2127.02,1438.32 U2.G14@2141.01,1452.31
AR_LVDSCSI0_P: R49.2 U2.G15 | length 1930.6
  TOP w5.2: R49.2@508.25,1598.73 500.58,1591.06 500.58,1583.7 505.78,1578.5 521.8,1578.5 527,1573.3 527,1564.7 521.8,1559.5 499.4,1559.5 494.2,1554.3 494.2,1469.31 659.27,1304.24 1398.75,1304.24 1443.5,1348.99 1826.76,1348.99 1926.29,1448.52 2099.22,1448.52 2103.01,1452.31 U2.G15@2115.42,1452.31
AR_LVDSCSI1_N: R50.2 U2.H14 | length 1931
  TOP w4: 2108.32,1464.96 2128.07,1464.96 U2.H14@2141.01,1477.9
  TOP w5.2: R50.2@540.75,1598.73 541.77,1598.73 549,1591.5 549,1446.77 562.37,1433.4 578.91,1433.4 596.01,1450.5 604.01,1450.5 611.06,1443.45 611.06,1436.09 593.64,1418.67 593.64,1402.87 679.21,1317.3 1377.61,1317.3 1426.4,1366.09 1821.53,1366.09 1920.74,1465.3 2107.98,1465.3 2108.32,1464.96
AR_LVDSCSI1_P: R51.2 U2.H15 | length 1931
  TOP w5.2: R51.2@573.25,1598.73 566,1591.48 566,1583.5 570,1579.5 586.43,1579.5 592.87,1573.06 592.87,1565.7 587.67,1560.5 565,1560.5 559.2,1554.7 559.2,1450.99 566.59,1443.6 574.68,1443.6 591.78,1460.7 608.24,1460.7 621.26,1447.68 621.26,1431.86 603.84,1414.44 603.84,1407.1 683.44,1327.5 1373.39,1327.5 1422.17,1376.28 1817.3,1376.28 1916.52,1475.5 2113.02,1475.5 U2.H15@2115.42,1477.9